# Altium PCB PLD.PcbDoc (part 4 of 4)
Units mm, origin at the board's own origin, x right, y up, seen from the top; angles counter-clockwise.
Board outline 90.25 x 94.44 mm, 6 copper layers (Top, GND, Signal Layer 1, Power, Signal2, Bottom), stack 1.297 mm thick; 370 components, 248 nets, 1284 pads, 698 vias.
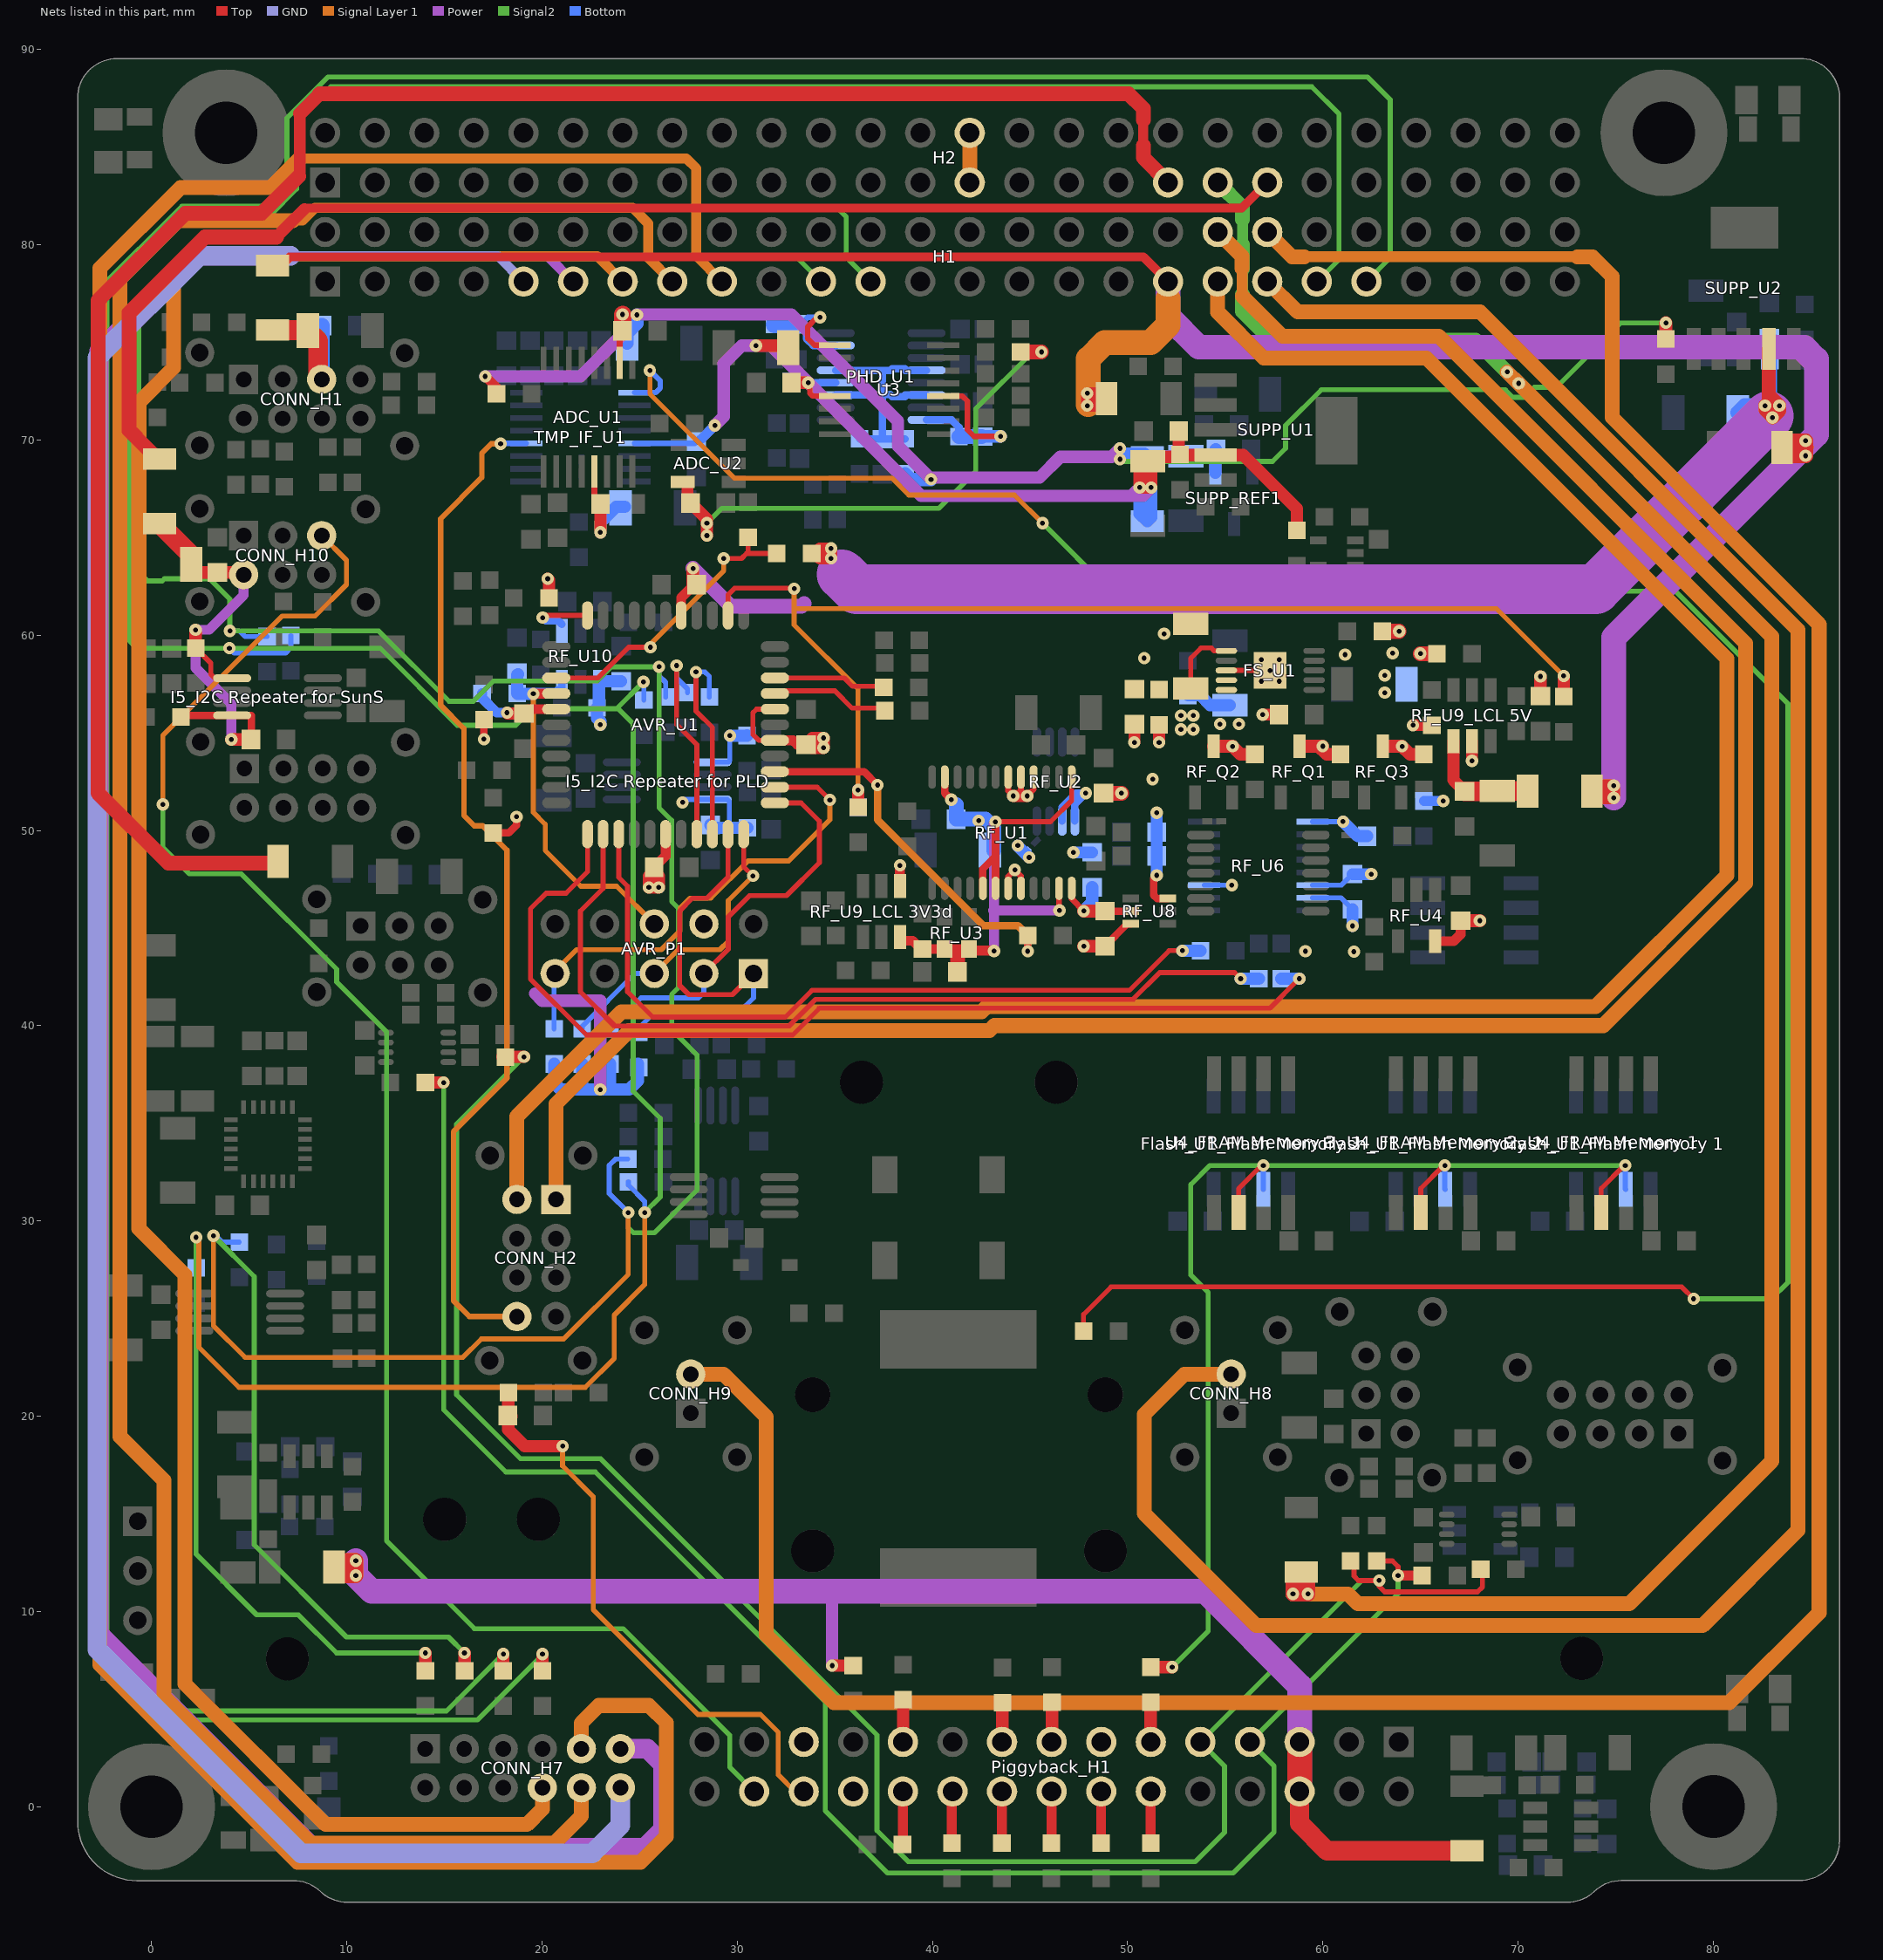
[diagram p8: the nets of this part, all layers, seen from the top]

## Via types
v1: diameter 0.635, hole 0.25, Top to Bottom, 695 vias
v2: diameter 0.7, hole 0.25, Top to Bottom, 3 vias

## Nets (pads, with @x,y where several pads share a name; then routed paths per layer and width w, separated by ;. In a path a pad name is that pad's centre, name@x,y a point inside that pad or via, vN(x,y) a via of type N, cw(c..) or ccw(c..) an arc to the next point about the centre after c; other vN are vias at no path point) (continued)
OUT_C: PHD_C3.2 PHD_R4.2 PHD_U1.7 U3.9 | length 7.8
  Top w0.279: v1(34.244,76.284) 34.092,76.284 33.609,75.801 33.609,75.191 33.95,74.85 U3.9@35,74.85
  Bottom w0.279: PHD_C3.2@33.19,75.867 33.607,76.284 v1(34.244,76.284)
  Bottom w0.381: PHD_C3.2@33.19,75.867 33.548,75.509 33.548,75.18 33.891,74.838 PHD_U1.7@35.044,74.838
  Bottom w0.889: PHD_R4.2@31.907,75.914 33.039,75.914 PHD_C3.2@33.053,75.928
OUT_D: PHD_C4.2 PHD_R1.2 PHD_U1.16 U3.4 | length 9.1
  Top w0.279: U3.4@40.55,72.25 41.529,72.25 41.788,71.991 41.788,70.518 42.118,70.188 v1(43.49,70.188)
  Bottom w0.381: PHD_U1.16@39.694,71.028 40.978,71.028 41.356,70.649 PHD_R1.2@41.356,70.166
  Bottom w0.635: PHD_C4.2@42.519,70.166 42.541,70.188 v1(43.49,70.188)
  Bottom w0.762: PHD_R1.2@41.356,70.166 PHD_C4.2@42.519,70.166
PC-104_EPS_Kill-Switch_Pri: CONN_H7.12 H1.9 | length 124.3
  GND w0.5: 7.112,79.426 7.116,79.421 17.739,79.421 H1.9@19.051,78.11
  GND w1: 7.112,79.426 2.434,79.426 -2.786,74.206 -2.786,8.044 7.645,-2.388 22.581,-2.388 24.014,-0.954 CONN_H7.12@24.014,0.967
PC-104_EPS_Kill-Switch_Sec: CONN_H7.6 H1.11 | length 132.2
  Power w0.5: 7.112,79.426 7.116,79.421 20.279,79.421 H1.11@21.591,78.11
  Power w1: 7.112,79.426 2.184,79.426 -2.692,74.549 -2.692,8.865 8.28,-2.108 25.248,-2.108 26.187,-1.168 26.187,2.184 25.405,2.967 CONN_H7.6@24.014,2.967
PC-104_EPS_MPPT_X: CONN_H7.10 H1.13 | length 120.3
  Signal Layer 1 w0.508: 7.087,79.417 22.823,79.417 H1.13@24.131,78.11
  Signal Layer 1 w0.762: 7.087,79.417 2.425,79.417 1.13,78.122 1.13,73.702 -0.652,71.921 -0.652,29.604 1.711,27.242 1.711,6.287 8.911,-0.914 19.228,-0.914 20.014,-0.128 CONN_H7.10@20.014,0.967
PC-104_EPS_MPPT_Y+: CONN_H7.11 H1.15 | length 132.4
  Signal Layer 1 w0.508: 7.235,81.23 7.728,81.23 8.38,81.882 24.643,81.882 25.438,81.086 25.438,79.342 H1.15@26.671,78.11
  Signal Layer 1 w0.762: 7.235,81.23 1.368,81.23 -1.617,78.245 -1.617,18.962 0.625,16.72 0.625,5.645 8.149,-1.879 20.625,-1.879 22.014,-0.49 CONN_H7.11@22.014,0.967
PC-104_EPS_MPPT_Y-: CONN_H7.5 H1.17 | length 156.9
  Signal Layer 1 w0.508: 7.582,84.422 27.386,84.422 27.903,83.905 27.903,79.417 H1.17@29.211,78.11
  Signal Layer 1 w0.762: 7.582,84.422 6.088,82.928 1.491,82.928 -2.646,78.791 -2.646,7.265 7.464,-2.844 25.04,-2.844 26.361,-1.523 26.361,4.297 25.476,5.182 22.911,5.182 22.014,4.285 CONN_H7.5@22.014,2.967
PC-104_I2C-BUS-SCL: AP_R5.2 H1.43 | length 178.9
  Top w0.635: AP_R5.2@20.021,6.956 v1(20.021,7.814)
  Signal2 w0.254: v1@20.039,7.796 16.688,4.446 1.458,4.446 -2.747,8.65 -2.747,77.669 1.55,81.966 5.896,81.966 6.93,83.001 6.93,86.488 9.031,88.589 62.284,88.589 63.445,87.427 63.445,79.324 H1.43@62.231,78.11
PC-104_I2C-BUS-SDA: AP_R6.2 H1.41 | length 171.7
  Top w0.635: AP_R6.2@18.015,6.956 v1(18.015,7.814)
  Signal2 w0.254: v1(18.015,7.814) 15.104,4.903 1.647,4.903 -2.29,8.84 -2.29,77.263 1.956,81.509 6.085,81.509 7.431,82.855 7.431,86.342 9.177,88.088 59.432,88.088 60.829,86.691 60.829,79.248 H1.41@59.691,78.11
PC-104_I2C-PAYLOAD_SCL: "I4_I2C Repeater for Gyro.2" "I4_I2C Repeater for PLD.2" "I4_I2C Repeater for RTC.2" "I4_I2C Repeater for SunS.2" AP_R7.2 H1.21 | length 185.7
  Top w0.635: v1(16.023,7.875) 16.034,7.864 AP_R7.2@16.034,6.956
  Signal2 w0.254: v1(3.171,29.236) 5.254,27.153 5.254,13.412 9.979,8.687 15.211,8.687 v1(16.023,7.875) ; v1(24.418,30.43) 24.418,29.655 24.685,29.388 25.752,29.388 27.936,31.573 27.936,38.511 26.641,39.806 26.641,41.601 26.977,41.938 26.977,46.022 26.641,46.359 26.641,50.521 25.993,51.169 v1(25.993,58.383) 23.555,58.383 22.831,57.659 17.522,57.659 16.481,56.617 15.236,56.617 11.629,60.224 v1(4.009,60.224) 4.009,61.85 2.968,62.891 0.657,62.891 0.543,62.777 -0.207,62.777 -0.664,63.234 -0.664,76.455 2.282,79.401 32.999,79.401 H1.21@34.291,78.11
  Signal Layer 1 w0.254: v1(3.171,29.236) 3.171,24.629 4.787,23.013 15.948,23.013 16.888,23.953 21.103,23.953 24.418,27.268 v1(24.418,30.43)
  Bottom w0.254: v1(3.171,29.236) 3.171,29.377 3.632,28.917 4.492,28.917 ; v1(4.009,60.224) 4.492,60.224 4.786,59.93 5.914,59.93 ; 24.394,33.173 23.77,33.173 23.44,32.843 23.44,31.408 v1(24.418,30.43) ; v1(25.993,58.383) 25.993,57.925 26.336,57.582 26.336,56.831
PC-104_I2C-PAYLOAD_SDA: "I7_I2C Repeater for Gyro.2" "I7_I2C Repeater for PLD.2" "I7_I2C Repeater for RTC.2" "I7_I2C Repeater for SunS.2" AP_R8.2 H1.23 | length 191.9
  Top w0.635: v1(14.017,7.875) 14.027,7.864 AP_R8.2@14.027,6.956
  Signal2 w0.254: v1(2.282,29.16) 2.282,12.929 5.381,9.83 7.518,9.83 9.474,7.875 v1(14.017,7.875) ; v1(25.193,57.608) 23.821,56.236 ; v1(25.256,30.43) 26.056,31.23 26.056,35.256 24.671,36.641 24.671,55.461 23.896,56.236 23.821,56.236 ; H1.23@36.831,78.11 35.581,79.359 35.581,81.433 35.133,81.882 7.912,81.882 6.625,80.595 2.79,80.595 -1.122,76.683 -1.122,59.694 -0.763,59.335 v1(3.984,59.335) 11.709,59.335 15.658,55.385 18.652,55.385 19.503,56.236 23.821,56.236
  Signal Layer 1 w0.254: v1(2.282,29.16) 2.422,29.02 2.422,23.534 4.479,21.476 22.217,21.476 23.694,22.954 23.694,25.172 25.256,26.734 v1(25.256,30.43)
  Bottom w0.254: 2.282,27.596 v1(2.282,29.16) ; v1(3.984,59.335) 4.238,59.081 6.854,59.081 7.133,59.36 7.133,59.981 ; 24.42,32.005 24.42,31.838 25.256,31.001 v1(25.256,30.43) ; v1(25.193,57.608) 25.218,57.582 25.218,56.679
PC-104_LCL_SADSMAIN: CONN_H8.2 H1.39 | length 129
  Signal Layer 1 w0.762: CONN_H8.2@55.302,22.153 52.908,22.153 50.847,20.092 50.847,15.013 56.587,9.273 79.448,9.273 84.324,14.148 84.324,60.281 68.049,76.556 58.704,76.556 H1.39@57.151,78.11
PC-104_LCL_SADSRED: CONN_H9.2 H1.40 | length 164.7
  Signal Layer 1 w0.559: 59.038,79.38 73.043,79.38
  Signal Layer 1 w0.762: CONN_H9.2@27.616,22.153 29.3,22.153 31.492,19.961 31.492,8.789 34.946,5.335 80.819,5.335 85.416,9.932 85.416,60.554 74.812,71.159 74.812,78.372 73.805,79.38 73.043,79.38 ; H1.40@57.151,80.65 58.421,79.38 59.038,79.38
PC-104_LCL_SAILMAIN: CONN_H2.5 H1.37 | length 117.4
  Signal Layer 1 w0.762: CONN_H2.5@18.714,31.101 18.714,35.356 24.075,40.717 42.522,40.717 42.776,40.971 73.961,40.971 80.692,47.702 80.692,58.808 65.306,74.194 56.968,74.194 54.611,76.552 H1.37@54.611,78.11
PC-104_LCL_SAILRED: CONN_H2.1 H1.38 | length 119.8
  Signal Layer 1 w0.559: 55.851,78.792 55.851,78.665 55.868,78.648 55.868,77.371
  Signal Layer 1 w0.762: CONN_H2.1@20.714,31.101 20.714,35.991 24.475,39.752 42.922,39.752 43.176,40.006 74.361,40.006 81.657,47.302 81.657,59.589 65.934,75.312 57.928,75.312 55.868,77.371 ; H1.38@54.611,80.65 55.851,79.409 55.851,78.792
PC-104_SUPPLY_OBC+3V3: H2.27 H2.28 | length 2.5
  Signal Layer 1 w0.762: H2.27@41.91,83.19 H2.28@41.91,85.73
PG_OBC_3V3: PG_R1.2 Piggyback_H1.5 Piggyback_H1.6 SUPP_FB5.1 SUPP_FB9.1 | length 78.4
  Top w0.635: v1(34.859,7.225) PG_R1.2@35.937,7.225
  Top w0.762: SUPP_FB5.1@9.344,12.269 9.675,12.599 v1(10.463,12.599) v1(10.463,11.837) 9.776,11.837 SUPP_FB5.1@9.344,12.269
  Top w1: Piggyback_H1.6@58.804,0.776 58.804,-0.845 60.218,-2.259 SUPP_FB9.1@67.382,-2.259
  Top w1.27: Piggyback_H1.6@58.804,0.776 Piggyback_H1.5@58.804,3.316
  Power w0.635: 34.821,11.024 34.859,10.986 v1(34.859,7.225)
  Power w1.27: v1(10.463,12.599) v1(10.463,11.837) 11.276,11.024 34.821,11.024 53.971,11.024 58.804,6.191 Piggyback_H1.5@58.804,3.316 Piggyback_H1.6@58.804,0.776
PHD_VREF: PHD_C8.1 PHD_R5.1 PHD_R6.2 PHD_U1.3 PHD_U1.5 PHD_U1.12 PHD_U1.14 | length 15.4
  Bottom w0.381: PHD_U1.3@35.044,72.298 37.434,72.298 ; PHD_U1.5@35.044,73.568 37.434,73.568 ; PHD_R5.1@36.266,70.061 PHD_C8.1@37.434,70.061 ; PHD_R6.2@38.603,70.061 PHD_C8.1@37.434,70.061 ; PHD_U1.14@39.694,72.298 38.604,72.298 38.604,72.22 37.937,72.22 37.834,72.323 37.434,72.323 ; PHD_U1.12@39.694,73.568 38.601,73.568 38.601,73.642 37.937,73.642 37.863,73.568 37.434,73.568 ; PHD_C8.1@37.434,70.061 37.434,72.298 ; 37.434,72.298 37.434,72.323 ; 37.434,72.323 37.434,73.568
PIGGYBACK_ADC_PD4: LI_C1.2 LI_R1.2 Piggyback_H1.26 | length 30
  Top w0.635: LI_R1.2@18.273,21.21 18.273,20.016 18.273,19.316 19.122,18.466 v1(21.053,18.466)
  Top w0.889: LI_C1.2@18.248,20.041 18.273,20.016 LI_C1.2@18.298,19.99
  Signal Layer 1 w0.254: v1(21.053,18.466) 21.053,17.45 22.627,15.876 22.627,10.084 27.987,4.725 31.187,4.725 32.102,3.811 32.102,1.626 32.952,0.776 Piggyback_H1.26@33.404,0.776
PIGGYBACK_ADC_PD5: CONN_H10.3 Piggyback_H1.28 | length 88.3
  Signal2 w0.254: v1(0.58,51.334) 0.58,49.124 1.926,47.778 4.593,47.778 9.48,42.891 9.48,42.237 12.036,39.682 12.036,13.615 16.531,9.119 24.155,9.119 29.612,3.662 29.612,2.028 Piggyback_H1.28@30.864,0.776
  Signal Layer 1 w0.254: v1(0.58,51.334) 0.58,54.865 6.702,60.986 8.378,60.986 9.978,62.586 9.978,63.837 CONN_H10.3@8.714,65.101
PIGGYBACK_ADC_PD7: Piggyback_H1.25
PIGGYBACK_GPIO_PA8: MEM_R6.1 Piggyback_H1.12 | length 2.6
  Top w0.508: MEM_R6.1@51.177,-1.868 51.177,0.769 Piggyback_H1.12@51.184,0.776
PIGGYBACK_GPIO_PA9: MEM_R9.1 Piggyback_H1.14 | length 2.6
  Top w0.508: MEM_R9.1@48.637,-1.868 48.637,0.769 Piggyback_H1.14@48.644,0.776
PIGGYBACK_GPIO_PA10: MEM_R8.1 Piggyback_H1.16 | length 2.6
  Top w0.508: MEM_R8.1@46.097,-1.868 46.097,0.769 Piggyback_H1.16@46.104,0.776
PIGGYBACK_GPIO_PA11: MEM_R5.1 Piggyback_H1.18 | length 2.6
  Top w0.508: MEM_R5.1@43.557,-1.868 43.557,0.769 Piggyback_H1.18@43.564,0.776
PIGGYBACK_GPIO_PA12: MEM_R7.1 Piggyback_H1.20 | length 2.7
  Top w0.508: MEM_R7.1@40.992,-1.868 40.992,0.744 Piggyback_H1.20@41.024,0.776
PIGGYBACK_GPIO_PA13: MEM_R4.1 Piggyback_H1.21 | length 2.2
  Top w0.635: Piggyback_H1.21@38.484,3.316 38.502,3.334 MEM_R4.1@38.502,5.476
PIGGYBACK_GPIO_PB12: MUX_R14.2 Piggyback_H1.22 | length 2.7
  Top w0.508: MUX_R14.2@38.415,-1.904 38.484,-1.836 Piggyback_H1.22@38.484,0.776
PIGGYBACK_GPIO_PE0: Piggyback_H1.24
PIGGYBACK_SPI-CLK_PE5: MEM_R3.1 Piggyback_H1.11 | length 2
  Top w0.635: MEM_R3.1@51.177,5.349 51.177,3.323 Piggyback_H1.11@51.184,3.316
PIGGYBACK_SPI-CS_PE4: Piggyback_H1.13
PIGGYBACK_SPI-MISO_PE6: MEM_R1.1 Piggyback_H1.17 | length 2
  Top w0.635: Piggyback_H1.17@43.564,3.316 43.582,3.334 MEM_R1.1@43.582,5.324
PIGGYBACK_SPI-MOSI_PE7: MEM_R2.1 Piggyback_H1.15 | length 2
  Top w0.635: Piggyback_H1.15@46.104,3.316 46.122,3.334 MEM_R2.1@46.122,5.349
PIGGYBACK_UART-RX_PF7: MUX_R6.1 MUX_R12.2 MUX_R16.1 Piggyback_H1.7 | length 93.8
  Top w0.254: MUX_R16.1@62.759,12.588 63.558,12.588 63.852,12.294 v1(63.852,11.837)
  Top w0.508: v1(63.852,11.837) MUX_R12.2@65.085,11.837
  Top w0.635: MUX_R6.1@14.129,37.085 v1(14.957,37.085)
  Signal2 w0.254: v1(14.957,37.085) 14.957,20.332 18.144,17.145 22.733,17.145 34.509,5.369 34.509,-0.209 37.703,-3.403 55.398,-3.403 57.502,-1.299 57.502,2.078 Piggyback_H1.7@56.264,3.316 63.852,10.904 v1(63.852,11.837)
PIGGYBACK_UART-TX_PF6: MUX_R5.1 MUX_R11.2 MUX_R15.1 Piggyback_H1.9 | length 99.1
  Top w0.254: MUX_R15.1@61.591,12.588 61.591,11.812 61.82,11.583 v1(62.886,11.583) 62.886,11.278 63.166,10.999 67.916,10.999 68.17,11.253 MUX_R11.2@68.17,12.04
  Top w0.635: MUX_R5.1@17.979,38.405 v1(19.071,38.405)
  Signal2 w0.254: v1(19.071,38.405) 15.621,34.955 15.621,21.098 18.9,17.819 23.004,17.819 37.156,3.667 37.156,-1.215 38.76,-2.819 53.463,-2.819 54.962,-1.32 54.962,2.078 Piggyback_H1.9@53.724,3.316 61.991,11.583 v1(62.886,11.583)
PT1000_SADS: SADS_RTD1.2 TMP_IF_U1.9 | length 136.7
  Top w0.254: SADS_RTD1.2@47.661,24.029 SADS_RTD1.2@47.824,24.192 ; SADS_RTD1.2@47.737,24.192 SADS_RTD1.2@47.737,24.359 47.737,25.212 49.145,26.62 78.38,26.62 v1(78.99,26.01)
  Signal2 w0.254: v1(45.64,65.736) 49.12,62.256 78.05,62.256 83.816,56.49 83.816,26.851 82.976,26.01 v1(78.99,26.01)
  Signal Layer 1 w0.254: v1(25.523,73.559) 25.523,72.364 29.845,68.041 37.931,68.041 38.788,67.184 44.192,67.184 v1(45.64,65.736)
  Bottom w0.279: TMP_IF_U1.9@24.739,72.424 25.81,72.424 26.056,72.67 26.056,73.026 v1(25.523,73.559)
PT1000_SAIL: CONN_H2.8 TMP_IF_U1.4 | length 53.1
  Signal Layer 1 w0.279: v1(17.878,69.8) 17.395,69.8 16.912,69.317 16.912,68.076 14.804,65.968 14.804,56.414 15.998,55.22 15.998,50.775 16.531,50.242 16.957,50.242 18.208,48.991 18.208,37.313 15.465,34.57 15.465,25.909 16.272,25.101 CONN_H2.8@18.714,25.101
  Bottom w0.279: v1(17.878,69.8) 17.903,69.825 TMP_IF_U1.4@19.189,69.824 TMP_IF_U1.4@19.189,69.824
R\S\T\: AVR_C6.1 AVR_P1.6 AVR_U1.4 R1.2 RF_U10.6 | length 20.4
  Top w0.508: v1(19.554,56.998) 19.568,57.012 AVR_U1.4@20.728,57.012
  Signal Layer 1 w0.254: v1(19.554,56.998) 19.554,50.928 20.164,50.318 20.164,48.972 21.992,47.143 23.821,47.143 AVR_P1.6@25.752,45.213
  Bottom w0.381: v1(19.554,56.998) 19.676,57.12 20.713,57.12 20.799,57.206 21.017,57.206 RF_U10.6@21.017,57.608
  Bottom w0.635: AVR_C6.1@18.767,58.003 18.727,57.963 R1.2@18.727,57.024 18.752,56.998 v1(19.554,56.998)
RAD_3V3D: "RF_R20_LCL 3V3d.2" "RF_U9_LCL 3V3d.6" RF_C2.1 RF_C6.1 RF_C7.1 RF_U1.5 RF_U1.6 RF_U1.11 RF_U1.13 RF_U1.23 RF_U3.1 RF_U3.4 | length 33.6
  Top w0.254: v1@43.232,50.445 46.046,50.445 47.132,51.531 RF_U1.13@47.132,52.736
  Top w0.305: RF_U1.11@46.482,47.036 46.482,45.92 v1(46.503,45.898)
  Top w0.381: RF_U1.23@40.632,52.736 40.632,51.909 v1(40.966,51.575) ; RF_U1.5@42.582,47.036 42.582,48.034 43.232,48.684 ; RF_U1.6@43.232,47.036 43.232,48.684 ; v1@43.232,50.445 43.232,48.684
  Top w0.508: 38.335,44.538 38.523,44.349 38.985,44.349 39.409,43.925 RF_U3.4@40.621,43.925 RF_U3.1@41.871,43.925 41.946,43.85 43.125,43.85 v1(43.151,43.825)
  Top w0.762: 41.246,43.714 41.282,43.678 RF_C2.1@41.282,42.749
  Power w0.508: 43.125,45.873 43.1,45.898 43.151,45.898 ; v1(43.151,43.825) 43.151,45.898 ; v1(43.227,50.445) 43.125,50.343 43.151,50.318 43.151,45.898 ; v1(46.503,45.898) 43.151,45.898
  Bottom w0.762: 41.216,51.325 41.216,50.585 42.706,50.585 43.152,50.139 RF_C6.1@43.152,48.969
  other v1: 42.363,50.496
RAD_4V5A: FS_U1.6 FS_U1.9 FS_U1.10 RF_C1.1 RF_C5.1 RF_C8.1 RF_C10.1 RF_C11.1 RF_C14.1 RF_C15.1 RF_Q1.3 RF_Q2.3 RF_Q3.3 RF_R3.1 RF_R10.2 RF_R16.2 RF_R17.2 RF_R18.2 RF_U1.12 RF_U2.1 RF_U2.2 RF_U4.5 RF_U6.14 RF_U8.2 | length 27.8
  Top w0.254: RF_C14.1@53.234,57.279 53.234,58.826 53.754,59.345 54.29,59.345 54.438,59.197 FS_U1.6@55.051,59.197
  Top w0.305: RF_U1.12@47.132,47.036 47.132,46.489 v1(47.748,45.873)
  Top w0.381: RF_C11.1@48.84,45.873 48.849,45.864 RF_U8.2@50.151,45.864
  Top w0.508: RF_U4.5@65.742,44.327 66.7,44.327 67.052,44.679 RF_C8.1@67.052,45.379
  Top w0.66: v1(47.748,45.873) RF_C11.1@48.84,45.873 ; RF_Q2.3@54.403,54.309 v1(55.368,54.309) 55.778,53.899 RF_R17.2@56.511,53.899 ; RF_Q1.3@59.026,54.313 v1(59.991,54.313) 59.784,54.309 60.194,53.899 RF_R16.2@60.905,53.899 ; RF_Q3.3@63.293,54.309 v1@64.051,54.309 ; v1@64.053,54.308 64.461,53.899 RF_R18.2@65.172,53.899 ; RF_C8.1@67.052,45.379 v1(68.043,45.379)
  Top w0.762: RF_C1.1@48.764,51.907 v1(49.678,51.907)
  Bottom w0.254: RF_U6.14@59.464,47.202 60.953,47.202 RF_C10.1@61.515,47.764
  Bottom w0.381: RF_U2.2@46.645,50.477 46.645,51.196 47.356,51.907 v1(47.85,51.907) 47.295,51.352 RF_U2.1@47.295,50.477
  Bottom w0.508: RF_R3.1@65.172,51.508 v1(66.163,51.508)
  Bottom w0.61: RF_C10.1@61.515,47.764 v1(62.48,47.764)
  Bottom w0.66: v1(47.748,45.873) 48.18,46.305 RF_C5.1@48.18,47.081
  other v1: 64.055,54.309 52.726,55.169 53.361,55.169 52.726,55.881 53.361,55.881
RADFET_EN: "RF_R9_LCL 3V3d.2" "RF_R9_LCL 5V.2" AVR_U1.35 RF_R13.2 | length 59.9
  Top w0.254: AVR_U1.35@29.528,61.012 29.528,62.07 29.866,62.408 32.711,62.408 32.737,62.383 v1(32.914,62.383)
  Top w0.635: 36.191,51.193 v1(36.191,52.071) ; 72.335,56.857 v1(72.335,57.913)
  Signal Layer 1 w0.254: v1(32.914,62.383) 32.914,61.367 ; v1(36.191,52.071) 36.191,57.252 32.914,60.529 32.914,61.367 ; v1(72.335,57.913) 68.881,61.367 32.914,61.367
  Bottom w0.635: RF_R13.2@36.191,51.193 v1(36.191,52.071)
RADFET_MISO: AVR_U1.31 RF_R25.1 | length 5.8
  Top w0.254: AVR_U1.31@31.928,57.812 35.479,57.812 35.912,57.379 RF_R25.1@37.552,57.379
RADFET_MOSI: AVR_U1.30 RF_R2.1 | length 5.7
  Top w0.254: AVR_U1.30@32.254,57.151 34.997,57.151 35.886,56.262 RF_R2.1@37.552,56.262
RADFET_MUX_A0: AVR_U1.14 RF_R24.1 | length 39.6
  Top w0.254: AVR_U1.14@23.928,49.812 23.928,47.595 24.38,47.143 24.38,41.733 25.675,40.437 32.459,40.437 33.831,41.809 50.085,41.809 52.117,43.841 v1(52.803,43.841)
  Bottom w0.635: v1(52.803,43.841) RF_R24.1@53.731,43.841
RADFET_MUX_A1: AVR_U1.12 RF_R6.1 | length 51.9
  Top w0.254: AVR_U1.12@22.328,49.812 22.328,47.885 21.23,46.787 20.214,46.787 19.402,45.975 19.402,42.393 22.272,39.523 32.838,39.523 34.21,40.895 57.273,40.895 v1(58.786,42.408)
  Bottom w0.635: RF_R6.1@57.857,42.408 v1(58.786,42.408)
RADFET_MUX_EN: AVR_U1.13 RF_R23.1 | length 45.3
  Top w0.254: AVR_U1.13@23.128,49.812 23.128,47.034 21.967,45.873 21.967,41.733 23.72,39.98 32.649,39.98 34.02,41.352 50.274,41.352 51.646,42.723 55.47,42.723 v1(55.785,42.408)
  Bottom w0.635: v1(55.785,42.408) RF_R23.1@56.714,42.408
RADFET_TEMP_MUX: AVR_U1.25 RF_R7.1 | length 19.1
  Top w0.381: AVR_U1.25@31.928,53.012 36.494,53.012 v1(37.182,52.325) ; v1(44.882,43.816) RF_R7.1@44.882,44.623
  Signal Layer 1 w0.381: v1(37.182,52.325) 37.182,50.547 42.605,45.124 44.382,45.124 44.882,44.623 v1(44.882,43.816)
RF_5V: "RF_U9_LCL 5V.1" SUPP_C24.1 SUPP_C25.2 SUPP_FB8.2 | length 6
  Top w0.61: 66.686,54.571 66.686,52.574 SUPP_C25.2@67.255,52.005 ; SUPP_C24.1@68.918,52.005 SUPP_C24.1@68.932,52.019
  Top w1.016: SUPP_C25.2@67.255,52.005 SUPP_C24.1@68.918,52.005 ; SUPP_C24.1@68.932,52.019 SUPP_FB8.2@70.482,52.02 SUPP_FB8.2@70.482,52.02
RF_AGND: "RF_C22_LCL 5V.2" "RF_R19_LCL 5V.1" "RF_R20_LCL 5V.1" "RF_U9_LCL 5V.2" ADC_J2.1 FS_U1.8 FS_U1.11 RF_C5.2 RF_C9.1 RF_C10.2 RF_C11.2 RF_C12.2 RF_C13.2 RF_C14.2 RF_C15.2 RF_C16.2 RF_C17.1 RF_C19.2 RF_J1.2 RF_R10.1 RF_R11.1 RF_R12.1 RF_U1.7 RF_U1.8 RF_U1.16 RF_U1.17 RF_U1.18 RF_U6.3 RF_U6.9 RF_U6.15 RF_U8.3 RF_U8.6 | length 35.3
  Top w0.254: v1@51.329,47.549 v1(51.482,47.702) ; FS_U1.8@55.051,58.197 v1(57.301,58.197)
  Top w0.305: RF_U1.7@43.882,47.036 43.882,47.646 v1(44.217,47.981) 44.532,47.667 RF_U1.8@44.532,47.036 ; RF_U1.18@43.882,52.736 43.882,52.025 v1(44.141,51.766) ; 44.532,51.826 RF_U1.17@44.532,52.736 ; v1(44.852,51.766) 45.182,52.095 RF_U1.16@45.182,52.736
  Top w0.381: RF_C11.2@48.84,44.073 49.982,45.214 RF_U8.3@50.151,45.214 ; v1@51.329,47.549 51.329,46.686 51.501,46.514 RF_U8.6@52.051,46.514
  Top w0.61: v1@50.339,54.534 RF_C15.2@50.339,55.438 ; v1(51.609,54.509) RF_R10.1@51.609,55.412 ; v1(56.917,55.931) RF_C13.2@57.751,55.931 ; v1(64.614,55.391) 65.579,55.391 ; v1(67.636,53.569) 67.636,54.571
  Top w0.635: v1(44.141,51.766) v1(44.852,51.766) ; 71.141,56.882 v1(71.141,57.887)
  Top w0.66: v1(47.748,44.073) RF_C11.2@48.84,44.073
  Top w0.762: RF_R12.1@63.05,60.199 v1(63.902,60.199) ; v1(64.995,59.056) 65.836,59.056
  Bottom w0.254: RF_U6.3@53.914,47.202 v1(55.335,47.202) ; RF_U6.15@59.464,46.552 60.926,46.552 RF_C10.2@61.515,45.964 ; RF_U6.9@59.464,50.452 v1(61.032,50.452)
  Bottom w0.61: v1(47.215,48.87) 47.226,48.881 RF_C5.2@48.18,48.881 ; v1(51.482,47.702) RF_C19.2@51.482,48.692 RF_C17.1@51.482,49.912 v1(51.482,50.902) ; RF_R11.1@53.107,56.922 53.717,56.922 54.224,56.415 RF_C16.2@55.241,56.415 ; v1(61.032,50.452) 61.776,49.708 RF_C9.1@62.266,49.708 ; v1(61.515,45.111) RF_C10.2@61.515,45.964
  Bottom w0.635: v1(44.37,49.226) 44.37,49.2 v1(44.954,48.616)
  other v1: 61.591,43.79 59.102,43.816 51.279,52.629 50.339,54.509 54.733,55.449 55.698,55.449 63.167,57.056 56.844,57.641 57.758,57.641 63.167,57.945 56.844,58.753 57.758,58.753 50.847,58.827 61.134,59.005 63.572,59.081 51.863,60.072